# Allegro board MB1167.brd (continued)
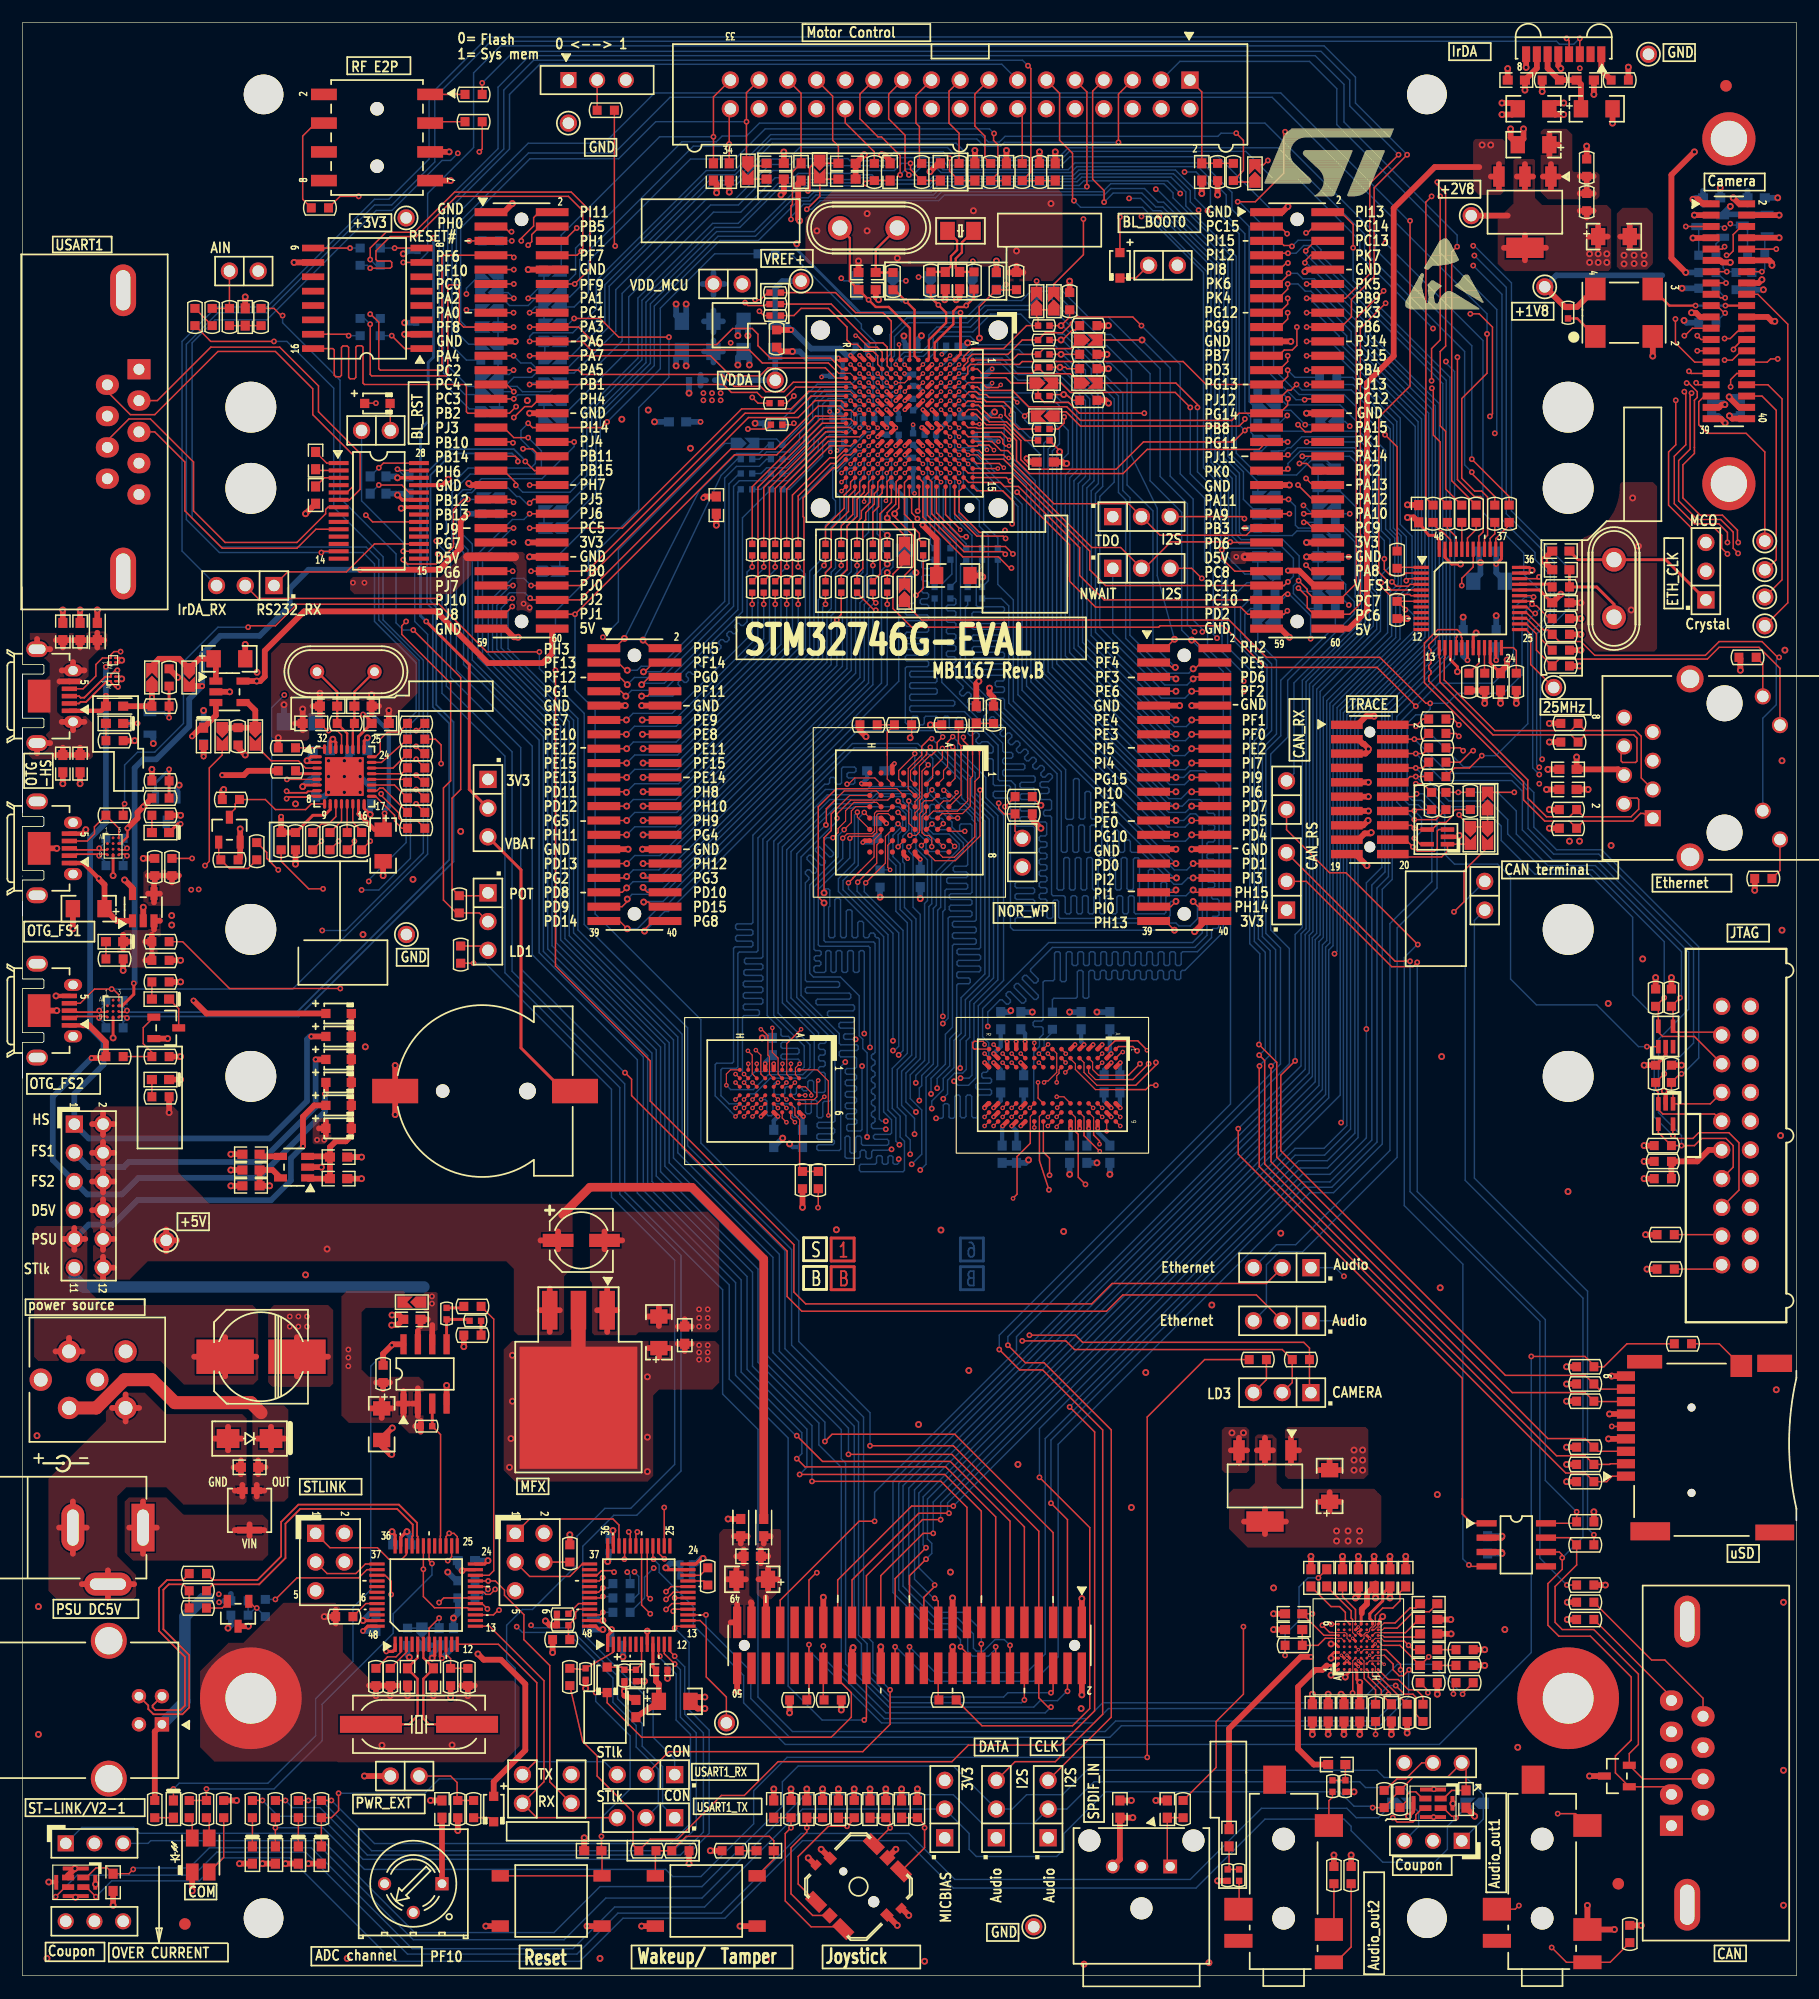
[diagram p0: board, top side]
## Nets (continued)
VBUS_FS1: C48.1 CN6.54 CN13.1 D5.B3 D9.1 JP13.3 R108.1 R261.2 U11.1
VBUS_FS2: CN14.1 D6.B3 D10.1 JP13.5 R138.1 R259.1 SB13.1
VBUS_HS: CN8.1 D3.A1 D8.1 JP13.1 L2.2
VDD_MCU: C26.2 C28.2 C104.2 C106.1 C108.1 C109.1 C112.1 C114.1 C115.1 C116.1 C117.1 C118.1 C121.1 C122.1 C123.1 C124.1 C125.1 C126.1 C127.2 C128.1 C129.1 C130.1 C131.1 C132.1 C133.1 JP2.2 L7.1 U4.E7 U4.E8 U4.E9 U4.E10 U4.F4 U4.F5 U4.F11 U4.G5 U4.G11 U4.H5 U4.H11 U4.J5 U4.J11 U4.K5 U4.K11 U4.L7 U4.L8 U4.L9 U4.L10
VDDA: C111.1 C113.2 L7.2 R33.1 TP9.1 U4.R1
A0: CN11.14 R242.2 U9.E2 U13.G8 U14.A3
A1: CN11.12 R240.2 U9.D2 U13.G9 U14.A4
A2: CN11.8 R239.2 U9.C2 U13.F7 U14.A5
A3: CN11.5 R236.2 U9.A2 U13.F3 U14.B3
A4: CN11.3 R233.2 U9.B2 U13.G1 U14.B4
A5: CN11.1 R232.2 U9.D3 U13.G2 U14.C3
A6: CN10.5 R255.2 U9.C3 U13.G3 U14.C4
A7: CN10.3 R253.2 U9.A3 U13.H1 U14.D4
A8: CN10.4 R256.2 U9.B6 U13.H2 U14.H2
A9: CN10.18 R266.2 U9.A6 U13.J3 U14.H3
A10: CN10.6 R258.2 U9.C6 U13.G7 U14.H4
A11: CN10.7 R257.2 U9.D6 U13.H9 U14.H5
A12: CN10.33 R272.2 U9.B7 U14.G3
A13: CN10.34 R262.2 U9.A7 U14.G4
A14: CN10.28 R273.2 U9.C7 U13.J7 U14.F3
A15: CN10.25 R264.2 U9.D7 U13.H8 U14.F4
A16: CN10.21 R265.1 U9.E7 U14.E4
A17: CN10.23 R274.2 U9.B3 U14.D3
A18: CN10.31 R263.2 U9.C4 U14.H1
A19: CN11.13 R37.2 R38.2 U9.D5 U14.G2
A20: CN11.11 R35.2 R36.2 U9.D4 U14.H6
A21: CN11.4 R23.2 R31.2 U9.C5
A22: CN11.7 R32.2 R34.2 U9.B8
A23: CN11.16 R39.2 R40.2 U9.C8
AIN_1: R186.2 R187.2 U21.10
BOOT0: JP1.2 R4.1 U4.E6
CAMERA_CLK: CN4.20 X3.3
CUR_SEL: R150.1 U21.22
D0: CN10.39 R72.2 U9.E3 U13.R8 U14.B6
D1: CN10.38 R60.2 U9.H3 U13.N7 U14.C5
D2: CN11.31 R267.2 U9.E4 U13.R9 U14.C6
D3: CN11.32 R276.2 U9.H4 U13.N8 U14.D5
D4: CN10.11 R63.2 U9.H5 U13.P9 U14.E5
D5: CN10.14 R53.2 U9.E5 U13.M8 U14.F5
D6: CN10.12 R52.2 U9.H6 U13.M7 U14.F6
D7: CN10.13 R64.2 U9.E6 U13.L8 U14.G6
D8: CN10.16 R54.2 U9.F3 U13.L2 U14.B1
D9: CN10.15 R65.2 U9.G3 U13.M3 U14.C1
D10: CN10.19 R67.2 U9.F4 U13.M2 U14.C2
D11: CN10.20 R55.2 U9.G4 U13.P1 U14.D2
D12: CN10.17 R66.2 U9.F5 U13.N2 U14.E2
D13: CN10.35 R59.2 U9.G6 U13.R1 U14.F2
D14: CN10.37 R70.2 U9.F6 U13.N3 U14.F1
D15: CN10.36 R71.2 U9.G7 U13.R2 U14.G1
D16: CN10.22 R56.1 U13.E8
D17: CN10.26 R57.1 U13.D7
D18: CN10.24 R68.1 U13.D8
D19: CN10.27 R69.1 U13.B9
D20: CN10.32 R58.1 U13.C8
D21: CN11.39 R271.1 U13.A9
D22: CN11.38 R279.1 U13.C7
D23: CN11.36 R278.1 U13.A8
D24: CN11.37 R270.1 U13.A2
D25: CN11.35 R269.1 U13.C3
D26: CN11.33 R268.1 U13.A1
D27: CN11.34 R277.1 U13.C2
D28: CN11.22 R250.1 U13.B1
D29: CN11.18 R245.1 U13.D2
D30: CN11.20 R246.1 U13.D3
D31: CN11.21 R248.1 U13.E2
E5V: C58.1 D11.1 JP13.9 L3.3
I2C1_SCL_C: CN4.13 R183.2 R230.1 T4.2
I2C1_SDA_C: CN4.14 R234.1 R298.2 T5.2
LCD_B0: CN6.27 CN20.21 U4.B10
LCD_B1: CN6.26 CN20.23 U4.B9
LCD_B2: CN6.20 CN20.25 U4.C9
LCD_B3: CN6.22 CN20.27 U4.D10
LCD_B4: CN6.16 CN20.29 U4.D8
LCD_B5: CN6.13 CN20.31 U4.D7
LCD_B6: CN6.12 CN20.33 U4.C6
LCD_B7: CN6.11 CN20.35 U4.C5
LCD_G0: CN5.53 CN20.4 U4.J12
LCD_G1: CN5.57 CN20.6 U4.H12
LCD_G2: CN5.45 CN20.8 U4.J13
LCD_G3: CN5.55 CN20.10 U4.H13
LCD_G4: CN6.35 CN20.12 U4.G12
LCD_G5: CN6.37 CN20.14 U4.G13
LCD_G6: CN6.34 CN20.16 U4.F12
LCD_G7: CN6.38 CN20.18 U4.F13
LCD_R0: CN6.5 CN20.3 U4.G4
LCD_R1: CN5.54 CN20.5 U4.R6
LCD_R2: CN5.58 CN20.7 U4.R7
LCD_R3: CN5.56 CN20.9 U4.P7
LCD_R4: CN5.31 CN20.11 U4.N8
LCD_R5: CN5.34 CN20.13 U4.M9
LCD_R6: CN5.42 CN20.15 U4.M14
LCD_R7: CN5.44 CN20.17 U4.K12
LED_STLINK: R201.1 R202.1 U21.30
LOOP: TP15.1 U22.14
MCO: U21.29
MFX_SWCLK: CN19.3 U22.37
MFX_SWDIO: CN19.1 U22.34
MIC_CLK: CN24.3 CN27.3 JP19.2 SB20.1
MIC_DATA: CN24.1 CN27.1 JP18.2 SB21.2
MIC_VDD: C89.1 C101.1 CN24.4 CN27.4 JP17.2 R198.2 R199.2 U24.1 U25.1
NETB2_2: B2.2 B2.3 C100.2 R216.1 R217.1
NETB3_1: B3.1 C93.2 R212.2 U22.20
NETB3_2: B3.2 C92.2 R211.2 U22.18
NETB3_3: B3.3 C91.2 R210.2 U22.19
NETB3_4: B3.4 C95.2 R214.2 U22.39
NETB3_6: B3.6 C94.2 R213.2 U22.40
NETBT1_1: BT1.1 JP9.3
NETC2_1: C2.1 C4.1 R1.2 U1.6
NETC5_1: C5.1 R6.1 R15.2 U2.1
NETC6_2: C6.2 CN1.31 SB2.2 SB34.1
NETC7_2: C7.2 CN1.27 SB1.2 SB48.1
NETC8_2: C8.2 CN1.33 SB23.1
NETC9_2: C9.2 CN1.34 SB30.1
NETC10_2: C10.2 CN1.29 SB50.1
NETC11_1: C11.1 R7.2 SB53.2
NETC12_2: C12.2 R8.1 SB44.2
NETC13_2: C13.2 R9.1 SB38.2
NETC14_2: C14.2 R10.1 SB31.2
NETC15_1: C15.1 R11.2 R12.1 SB40.2
NETC16_2: C16.2 CN1.1 R13.1 R14.1
NETC17_1: C17.1 SB2.1
NETC18_2: C18.2 SB1.1 SB56.1
NETC20_1: C20.1 R19.2 X1.2
NETC21_1: C21.1 R17.1 X2.1
NETC22_1: C22.1 R18.1 X2.2
NETC24_2: C24.2 R29.1 R30.1
NETC25_1: C25.1 U5.1
NETC25_2: C25.2 U5.2
NETC27_2: C27.2 U5.3
NETC30_1: C30.1 JP6.1 X4.1
NETC31_2: C31.2 R73.2 X4.2
NETC32_1: C32.1 U4.E11
NETC34_1: C34.1 C35.1 C43.1 C44.1 CN8.5 CN8.6 CN8.7 CN8.8 CN8.9 CN8.10 L1.2
NETC36_1: C36.1 SB12.1 SB13.2 U7.1
NETC38_1: C38.1 R87.2 U8.28 X5.1
NETC39_1: C39.1 R87.1 U8.27 X5.2
NETC40_1: C40.1 R85.2 U9.B5
NETC41_1: C41.1 C142.1 U8.29
NETC42_1: C42.1 C47.1 U8.15 U8.26
NETC49_2: C49.2 U16.4
NETC50_2: C50.2 C52.2 D7.2 D8.2 D9.2 D10.2 D11.2 D12.2 U16.1 U16.3
NETC60_1: C60.1 D13.3 L3.1 Z1.2
NETC60_2: C60.2 CN17.2 CN17.3 D13.2 L3.2 Z1.1
NETC62_1: C62.1 C70.1 CN20.45 L5.2
NETC62_2: C62.2 C70.2 CN20.47 CN20.49 L4.2
NETC63_2: C63.2 U23.C9
NETC64_1: C64.1 U23.D7
NETC64_2: C64.2 CN26.2 R177.1 R223.2
NETC65_1: C65.1 U23.D9
NETC69_1: C69.1 U23.E6
NETC71_1: C71.1 U23.H8
NETC71_2: C71.2 U23.G8
NETC72_2: C72.2 JP17.1 U23.A7
NETC73_1: C73.1 U23.G7
NETC74_2: C74.2 R177.2 U23.B6
NETC75_1: C75.1 U23.H7
NETC76_1: C76.1 CN26.4 U23.G6
NETC76_2: C76.2 R178.1
NETC77_1: C77.1 CN26.6 U23.H6
NETC77_2: C77.2 R179.1
NETC78_2: C78.2 C82.1 L6.2 U22.9
NETC79_2: C79.2 D16.1 R182.1 U22.7
NETC87_1: C87.1 U23.F1
NETC88_1: C88.1 R196.1 R197.1
NETC88_2: C88.2 U23.A2
NETC97_1: C97.1 CN28.1 R215.2
NETC98_1: C98.1 R219.2 R220.2
NETC98_2: C98.2 U23.B3
NETC100_1: C100.1 R218.2
NETC134_2: C134.2 U5.27
NETC136_1: C136.1 U5.24
NETC136_2: C136.2 U5.28
NETC137_2: C137.2 C139.1 C140.1 C141.2 U6.18 U6.23 U6.37
NETC138_1: C138.1 U4.L11
NETCN1_3: CN1.3 SB62.2
NETCN1_5: CN1.5 SB35.1
NETCN1_9: CN1.9 SB59.1
NETCN1_11: CN1.11 SB58.2
NETCN1_13: CN1.13 SB39.1
NETCN1_14: CN1.14 R11.1
NETCN1_15: CN1.15 R10.2
NETCN1_17: CN1.17 R9.2
NETCN1_19: CN1.19 R8.2
NETCN1_21: CN1.21 SB46.2
NETCN1_23: CN1.23 SB42.2
NETCN1_26: CN1.26 R7.1
NETCN2_1: CN2.1 R3.2
NETCN2_3: CN2.3 R5.2
NETCN2_4: CN2.4 R16.1
NETCN3_1: CN3.1 R28.1 R29.2
NETCN4_15: CN4.15 R229.2 U22.33
NETCN4_17: CN4.17 R231.1 U22.32
NETCN4_18: CN4.18 TP7.1
NETCN4_19: CN4.19 R235.1 U22.31
NETCN4_32: CN4.32 JP23.1 R301.1
NETCN4_33: CN4.33 SB5.1
NETCN4_34: CN4.34 TP8.1
NETCN4_35: CN4.35 TP11.1
NETCN4_36: CN4.36 TP10.1
NETCN5_3: CN5.3 SB27.2
NETCN5_5: CN5.5 R224.2
NETCN5_6: CN5.6 SB28.2
NETCN6_3: CN6.3 SB26.2
NETCN6_4: CN6.4 SB25.2
NETCN7_2: CN7.2 U5.6
NETCN7_3: CN7.3 U5.10
NETCN7_6: CN7.6 U5.5
NETCN7_8: CN7.8 U5.7
NETCN8_2: CN8.2 D4.A1 U8.8
NETCN8_3: CN8.3 D4.A2 U8.7
NETCN8_4: CN8.4 D3.A2 U8.5
NETCN9_1: CN9.1 R120.2 U6.17
NETCN9_2: CN9.2 R114.2 U6.16
NETCN9_3: CN9.3 R89.2 U6.14
NETCN9_6: CN9.6 R97.2 U6.13
NETCN9_9: CN9.9 R131.1
NETCN9_10: CN9.10 R76.1 U6.28
NETCN9_11: CN9.11 R79.1 U6.26
NETCN9_12: CN9.12 R78.1
NETCN11_6: CN11.6 JP5.1 R92.1 U9.A4
NETCN12_2: CN12.2 CN15.7 R86.1 R141.1 U15.1
NETCN12_4: CN12.4 CN15.9 R93.1 R140.2 U15.3
NETCN12_6: CN12.6 CN15.13 R99.1 R111.2 R143.1 U15.4
NETCN12_8: CN12.8 CN15.5 R101.1 R136.1 U12.5
NETCN12_10: CN12.10 CN15.15 R104.1 U15.5
NETCN12_12: CN12.12 SB7.1 U12.1
NETCN12_14: CN12.14 R111.1 SB8.1 U10.5
NETCN12_16: CN12.16 R113.1 SB6.1 U10.4
NETCN12_18: CN12.18 SB3.1 U10.3
NETCN12_20: CN12.20 SB17.1 U10.1
NETCN13_2: CN13.2 D5.D1 R284.1
NETCN13_3: CN13.3 D5.C1 R283.1
NETCN13_4: CN13.4 D5.A3 R117.1
NETCN14_2: CN14.2 D6.D1 R288.1
NETCN14_3: CN14.3 D6.C1 R286.1
NETCN14_4: CN14.4 D6.A3 SB51.1
NETCN15_3: CN15.3 R112.1 R113.2 R137.1 U12.4
NETCN15_11: CN15.11 R144.1 R145.2
NETCN15_17: CN15.17 R148.2
NETCN15_19: CN15.19 R149.2
NETCN16_1: CN16.1 R162.2 R281.1
NETCN16_2: CN16.2 R161.2 R275.1
NETCN16_3: CN16.3 R160.2 SB63.1
NETCN16_7: CN16.7 R158.2 SB61.2
NETCN16_8: CN16.8 R157.2 R260.1
NETCN16_10: CN16.10 R154.2
NETCN17_1: CN17.1 D13.1
NETCN19_4: CN19.4 R165.2
NETCN20_22: CN20.22 R192.1
NETCN20_39: CN20.39 U22.27
NETCN20_43: CN20.43 SB60.1
NETCN21_2: CN21.2 R166.1
NETCN21_3: CN21.3 R169.1 R171.1
NETCN22_2: CN22.2 D14.1 JP12.2 U20.6
NETCN22_5: CN22.5 R174.2
NETCN22_7: CN22.7 D14.2 R164.1 U20.7
NETCN22_9: CN22.9 R170.2
NETCN24_5: CN24.5 R198.1
NETCN25_2: CN25.2 R222.1
NETCN25_3: CN25.3 R221.1
NETCN25_4: CN25.4 R220.1
NETCN25_6: CN25.6 R196.2
NETD1_1: D1.1 U5.20
NETD1_2: D1.2 JP1.1
NETD2_2: D2.2 JP3.1
NETD5_C3: D5.C3 R283.2 SB52.1
NETD15_2: D15.2 R209.1
NETJP3_2: JP3.2 U5.16
NETJP5_3: JP5.3 JP18.3
NETJP6_2: JP6.2 U6.34
NETJP6_3: JP6.3 SB57.1
NETJP7_1: JP7.1 U5.17
NETJP7_2: JP7.2 JP14.1
NETJP7_3: JP7.3 U1.4
NETJP8_2: JP8.2 U20.4
NETJP9_2: JP9.2 U4.C1
NETJP10_2: JP10.2 R116.1 U9.B4
NETJP11_2: JP11.2 R163.1 U20.8
NETJP11_3: JP11.3 R168.1
NETJP12_1: JP12.1 R164.2
NETJP15_2: JP15.2 R208.1 R209.2 U21.39
NETJP16_2: JP16.2 R289.2 U21.21
NETJP18_1: JP18.1 U23.A9
NETJP19_1: JP19.1 U23.C6
NETJP19_3: JP19.3 R280.2
NETJP20_1: JP20.1 U1.3 U5.13
NETJP20_2: JP20.2 SB54.1
NETJP21_1: JP21.1 U23.G1
NETJP21_2: JP21.2 SB24.1
NETJP21_3: JP21.3 R75.1 SB11.2 U6.30
NETJP22_1: JP22.1 U23.F2
NETJP22_2: JP22.2 SB22.2
NETJP22_3: JP22.3 SB10.2 U6.31
NETJP23_3: JP23.3 R300.1
NETJP24_1: JP24.1 R30.2 R302.1
NETJP24_3: JP24.3 R299.1
NETL2_1: L2.1 R84.2 R103.2 SB12.2
NETLD1_2: LD1.2 R207.2 R299.2
NETLD2_2: LD2.2 R206.2
NETLD3_2: LD3.2 R205.2 R300.2
NETLD4_2: LD4.2 R204.2
NETLD5_1: LD5.1 R96.1
NETLD5_2: LD5.2 T6.3
NETLD6_1: LD6.1 R282.1
NETLD6_2: LD6.2 R121.2 R122.2 U7.3 U8.10
NETLD7_1: LD7.1 R118.1
NETLD7_2: LD7.2 T7.3
NETLD8_1: LD8.1 R133.1
NETLD8_2: LD8.2 R132.2 R134.2 U11.3
NETLD9_1: LD9.1 R135.1
NETLD9_2: LD9.2 T2.3
NETLD10_1: LD10.1 R142.1
NETLD11_1: LD11.1 R200.2
NETLD11_2: LD11.2 R156.2 U17.8
NETLD12_2: LD12.2 R201.2
NETLD12_3: LD12.3 R202.2
NETLD12_4: LD12.4 R203.1
NETR2_2: R2.2 U1.1
NETR4_2: R4.2 SW1.2
NETR20_1: R20.1 R21.1 U4.E5
NETR22_1: R22.1 U4.K1
NETR24_1: R24.1 U4.K2
NETR25_1: R25.1 X3.1
NETR26_1: R26.1 U4.L2
NETR27_1: R27.1 R28.2
NETR27_2: R27.2 RV1.2
NETR31_1: R31.1 SB3.2 SB4.2 U4.B1
NETR34_1: R34.1 SB16.2 SB17.2 SB18.2 U4.B2
NETR35_1: R35.1 SB6.2 U4.A1
NETR37_1: R37.1 SB8.2 U4.A2
NETR39_1: R39.1 R247.2 SB7.2 U4.A3
NETR41_1: R41.1 U4.L3
NETR42_1: R42.1 U4.M5
NETR43_1: R43.1 U4.B6
NETR44_1: R44.1 U4.B7
NETR45_1: R45.1 U6.46
NETR46_1: R46.1 U6.45
NETR46_2: R46.2 SB45.2
NETR47_1: R47.1 U6.44
NETR47_2: R47.2 SB55.2
NETR48_1: R48.1 U6.43
NETR48_2: R48.2 SB43.2
NETR49_1: R49.1 U6.39
NETR49_2: R49.2 SB37.1
NETR50_1: R50.1 U6.38
NETR50_2: R50.2 SB29.1
NETR51_1: R51.1 U4.P8
NETR52_1: R52.1 U4.P9
NETR53_1: R53.1 U4.N9
NETR54_1: R54.1 U4.P10
NETR55_1: R55.1 U4.P11
NETR56_2: R56.2 U4.P14
NETR57_2: R57.2 U4.N14
NETR58_2: R58.2 U4.M15
NETR59_1: R59.1 U4.L15
NETR60_1: R60.1 U4.K13
NETR61_1: R61.1 U4.H14
NETR62_1: R62.1 U6.1
NETR62_2: R62.2 SB41.2
NETR63_1: R63.1 U4.R8
NETR64_1: R64.1 U4.R9
NETR65_1: R65.1 U4.R10
NETR66_1: R66.1 U4.R11
NETR67_1: R67.1 U4.R12
NETR68_2: R68.2 U4.P15
NETR69_2: R69.2 U4.N15
NETR70_1: R70.1 U4.L14
NETR71_1: R71.1 U4.K15
NETR72_1: R72.1 U4.L12
NETR73_1: R73.1 U6.33
NETR74_2: R74.2 U6.7 U22.26
NETR77_1: R77.1 U6.27
NETR80_2: R80.2 R84.1 T6.1
NETR81_1: R81.1 U6.20
NETR82_1: R82.1 U6.21
NETR83_2: R83.2 U6.24
NETR88_1: R88.1 U8.24
NETR90_1: R90.1 R91.1 U9.F2
NETR94_2: R94.2 SB14.2 SB15.2 U7.4
NETR95_1: R95.1 U8.23
NETR98_2: R98.2 U8.32
NETR100_1: R100.1 U8.22
NETR102_1: R102.1 U8.21
NETR103_1: R103.1 U8.4
NETR105_2: R105.2 R108.2 T7.1
NETR106_1: R106.1 U8.20
NETR107_1: R107.1 U9.A5 U14.G5
NETR109_1: R109.1 U8.19
NETR110_2: R110.2 T1.3 U8.9
NETR115_1: R115.1 U8.18
NETR119_1: R119.1 U8.17
NETR121_1: R121.1 U22.29
NETR123_1: R123.1 U8.11
NETR124_1: R124.1 U8.12
NETR125_1: R125.1 U8.13
NETR126_1: R126.1 U8.14
NETR127_1: R127.1 R128.2 T1.1
NETR129_2: R129.2 R130.1 U11.4
NETR130_2: R130.2 U22.17
NETR132_1: R132.1 U22.16
NETR138_2: R138.2 R139.2 T2.1
NETR146_1: R146.1 R147.1 U14.B5
NETR150_2: R150.2 R151.1
NETR151_2: R151.2 R152.2 U17.5
NETR152_1: R152.1 R153.2
NETR154_1: R154.1 R155.1 U22.28
NETR167_1: R167.1 U22.21
NETR167_2: R167.2 U22.22
NETR171_2: R171.2 T3.2
NETR172_1: R172.1 U22.44
NETR173_2: R173.2 U21.44
NETR175_1: R175.1 R176.1 U22.45
NETR180_1: R180.1 R181.2 U22.2
NETR184_2: R184.2 U21.2
NETR185_2: R185.2 U21.3
NETR188_1: R188.1 U23.D4 U23.D5
NETR189_2: R189.2 U23.F3
NETR193_1: R193.1 U23.E3
NETR194_2: R194.2 U23.G2
NETR195_2: R195.2 U23.H1
NETR199_1: R199.1 U24.2
NETR204_1: R204.1 U22.13
NETR205_1: R205.1 U22.12
NETR206_1: R206.1 U22.11
NETR207_1: R207.1 U22.10
NETR225_2: R225.2 U4.H3
NETR227_1: R227.1 U3.8
NETR228_2: R228.2 U3.9
NETR232_1: R232.1 U4.K3
NETR233_1: R233.1 U4.J2
NETR236_1: R236.1 U4.H2
NETR237_1: R237.1 U3.1
NETR238_2: R238.2 U3.15
NETR239_1: R239.1 U4.G2
NETR240_1: R240.1 U4.E2
NETR241_2: R241.2 U6.5
NETR242_1: R242.1 U4.D2
NETR243_2: R243.2 U6.3
NETR244_2: R244.2 U6.4
NETR245_2: R245.2 U4.D4
NETR246_2: R246.2 U4.E4
NETR247_1: R247.1 U6.6
NETR248_2: R248.2 SB9.1 U4.D5
NETR249_2: R249.2 U4.L5
NETR250_2: R250.2 U4.D6
NETR251_2: R251.2 SB47.1 U4.J4
NETR252_2: R252.2 U6.2
NETR253_1: R253.1 U4.N6
NETR254_2: R254.2 U4.J3
NETR255_1: R255.1 U4.M6
NETR256_1: R256.1 U4.P6
NETR257_1: R257.1 U4.M7
NETR258_1: R258.1 U4.N7
NETR262_1: R262.1 U4.M12
NETR263_1: R263.1 U4.M11
NETR264_1: R264.1 U4.N11
NETR265_2: R265.2 U4.N10
NETR266_1: R266.1 U4.M8
NETR267_1: R267.1 U4.B12
NETR268_2: R268.2 U4.C14
NETR269_2: R269.2 U4.D14
NETR270_2: R270.2 U4.E14
NETR271_2: R271.2 U4.E12
NETR272_1: R272.1 U4.M13
NETR273_1: R273.1 U4.N12
NETR274_1: R274.1 U4.M10
NETR276_1: R276.1 U4.C12
NETR277_2: R277.2 U4.C13
NETR278_2: R278.2 U4.D13
NETR279_2: R279.2 U4.E13
NETR285_1: R285.1 U9.F7
NETR287_1: R287.1 U13.J2
NETR290_2: R290.2 U22.42
NETR291_2: R291.2 U22.43
NETR292_2: R292.2 U21.20
NETR293_1: R293.1 R294.1 R296.2 T3.1
NETR295_2: R295.2 U22.46
NETSB9_2: SB9.2 U6.41
NETSB14_1: SB14.1 U22.30
NETSB15_1: SB15.1 U8.3
NETSB18_1: SB18.1 U23.D3
NETSB20_2: SB20.2 U24.3 U25.3
NETSB21_1: SB21.1 U24.4 U25.4
NETSB32_1: SB32.1 U23.E4
NETSB36_1: SB36.1 U6.40
NETSB47_2: SB47.2 U6.42
NETSB49_1: SB49.1 U20.1
NETTP12_1: TP12.1 U6.25
NETU22_15: U22.15 U23.G3
OSC_IN: C80.1 U21.5 X6.2
OSC_OUT: C81.1 U21.6 X6.1
PA0: CN5.15 SB32.2 SB34.2 SB36.2 U4.N3
PA1: CN5.14 SB23.2 SB29.2 U4.N2
PA2: CN5.13 SB24.2 SB30.2 U4.P2
PA3: CN5.18 R88.2 U4.R2
PA4: CN4.31 CN5.21 U4.N4
PA5: CN5.24 R126.2 U4.P4
PA6: CN5.20 R14.2 SB5.2 U4.P3
PA7: CN5.22 SB35.2 SB37.2 U4.R3
PA8: CN6.52 SB56.2 SB57.2 SB60.2 U4.F15
PA9: CN6.43 R261.1 SB54.2 U4.E15
PA10: CN6.44 JP14.2 R117.2 U4.D15
PA11: CN6.41 D5.D3 JP8.1 R284.2 SB50.2 U4.C15
PA12: CN6.42 SB48.2 SB49.2 SB52.2 U4.B15
PA13: CN6.40 R86.2 U4.A15 U21.25 U21.27
PA14: CN6.36 R93.2 U4.A14 U21.15 U21.26
PA15: CN6.32 R101.2 U4.A13 U21.17
PAR_D0: CN4.23 CN6.58 JP4.3 SB62.1 U4.H15
PAR_D1: CN1.7 CN4.24 CN6.56 R280.1 U4.G15
PAR_D2: CN4.25 CN6.51 SB58.1 SB61.1 U4.G14
PAR_D3: CN4.26 CN6.46 R260.2 U4.F14
PAR_D4: CN4.27 CN6.53 R275.2 U4.B13
PAR_D5: CN4.28 CN6.23 U4.C11
PAR_D6: CN4.29 SB4.1
PAR_D7: CN4.30 SB16.1
PAR_D8: CN4.9 CN6.55 R16.2 R281.2 U4.B14
PAR_D9: CN4.10 CN6.28 CN16.5 U4.A12
PAR_D10: CN4.5 CN6.47 JP5.2 U4.B11
PAR_D11: CN4.6 CN6.57 SB63.2 U4.D12
PB0: CN5.52 R95.2 SB59.2 U4.R5
PB1: CN5.26 R100.2 SB39.2 U4.R4
PB2: CN5.29 R42.2 U3.16
PB3: CN6.45 JP4.2 U4.A10
PB4: CN6.24 R112.2 U4.A9 U21.19
PB5: CN5.4 R119.2 U4.A8
PB6: CN6.18 R43.2 R226.2 U3.7
PB7: CN6.21 JP23.2 R301.2 U4.B5
PB8: CN6.31 CN20.40 R5.1 R183.1 R190.2 R195.1 R290.1 T4.3 U4.A7
PB9: CN6.14 CN20.38 R3.1 R189.1 R191.2 R291.1 R298.1 T5.3 U4.B4
PB10: CN5.33 R102.2 U4.P12
PB11: CN5.36 R106.2 U4.R13
PB12: CN5.41 R109.2 SB51.2 U4.L13
PB13: CN5.43 R115.2 R259.2 U4.K14
PB14: CN5.35 D6.D3 R288.2 U4.R14
PB15: CN5.38 D6.C3 R286.2 U4.R15
PC0: CN5.11 R125.2 U4.M2
PC1: CN5.16 SB22.1 SB31.1 U4.M3
PC2: CN5.23 R241.1 SB38.1 U4.M4
PC3: CN5.27 SB41.1 SB44.1 U4.L4
PC4: CN5.25 SB40.1 SB43.1 U4.N5
PC5: CN5.46 SB53.1 SB55.1 U4.P5
PC13: CN6.6 R180.2 R216.2 U4.D1
PC14: R18.2 SB25.1 U4.E1
PC15: R17.2 SB26.1 U4.F1
PD4: CN11.28 U4.D11 U9.G2 U14.A2
PD5: CN11.26 R107.2 U4.C10
PD7: CN11.24 R91.2 U4.A11
PE0: CN11.25 U4.A6 U13.K9 U14.A1
PE1: CN11.23 U4.A5 U13.K1 U14.B2
PF6: CN5.7 R24.2 R237.2
PF7: CN5.8 R22.2 R228.1
PF8: CN5.17 R41.2 R238.1
PF9: CN5.12 R26.2 R227.2
PF10: CN5.9 JP24.2 R302.2 U4.L1
PF11: CN10.8 R51.2 U13.J9
PG6: CN5.51 SB11.1 U4.J15
PG7: CN5.47 SB10.1 U4.J14
PG8: CN10.40 R61.2 U13.J1
PG9: CN6.17 R193.2 U4.D9
PG10: CN11.27 R147.2 U4.C8
PG11: CN6.33 R252.1 SB46.1 U4.B8
PG12: CN6.15 R215.1 U4.C7
PG13: CN6.25 R243.1 U4.B3
PG14: CN6.29 R244.1 U4.A4
PG15: CN11.19 R44.2 U13.K7
PH0: R19.1 SB27.1 U4.G1
PH1: C23.1 SB28.1 U4.H1 X1.1
PH2: CN11.2 R287.2 U4.K4
PH3: CN10.1 R251.1 U13.J8
PH4: CN5.28 R123.2 U4.H4
PH5: CN10.2 R254.1 U13.K8
PH6: CN5.37 SB42.1 SB45.1 U4.P13
PH7: CN5.40 R45.2 U4.N13
PI4: CN11.17 U4.C3 U13.F8
PI5: CN11.15 U4.D3 U13.F2
PI8: CN6.9 R295.1 U4.C2
PI11: CN5.2 R124.2 U4.F3
PI12: CN6.7 CN20.26 U4.E3
PI13: CN6.2 CN20.28 U4.G3
PI14: CN5.32 CN20.32 R225.1
PK7: CN6.8 R192.2 U4.C4
PWR_ENN: R159.2 U17.3 U21.28
RESET#: B1.2 B1.3 C99.2 CN20.36 D2.1 D16.2 R104.2 R127.2 R224.1 U4.J1 U6.29 U21.18
STL_USB_DM: R166.2 U21.32
STL_USB_DP: R169.2 U21.33
STLINK_RX: CN23.1 JP20.3 U21.13
STLINK_TX: CN23.2 JP14.3 U21.12
STM_JTCK_SWCLK: CN18.3 U21.37
STM_JTMS_SWDIO: CN18.1 U21.34
STM_RST: C175.2 R297.1 SB64.2 U21.7
SWIM_PU_CTRL: U21.4
T_JTDO: JP4.1 R99.2 U21.16 U21.31
U5V_ST_LINK: C55.2 JP13.11 SB19.2 U17.6 U17.7
USB_RENUMN: R294.2 U21.38
VREF+: C105.1 C110.2 R33.2 TP6.1 U4.P1
VUSB_ST_LINK: C59.1 CN21.1 D12.1 R156.1 R159.1 R200.1 R293.2 SB19.1 U17.1 U17.2

Pads without a net: CN2 2 6 8; CN7 1 4 7 9; CN9 7; CN12 7; CN16 11 12 13 14; CN18 5; CN19 5; CN20 24 41 42 44 46 48; CN22 1 4 8; CN24 6; CN25 5 7; CN26 5 7; CN27 6; D5 A2 B1 B2 C2; D6 A2 B1 B2 C2; U1 2; U3 3 4 5 6 11 12 13 14; U5 4 8 9 11 12 14 15 18 19 21; U6 8 9 10 11 12; U9 A1 A8 B1 C1 D1 E1 F8 G1 G8 H1 H8; U12 3; U13 E3 E7 H3 H7 K2 K3; U14 E3; U20 5; U21 11 14 40 41 42 43 45 46; U22 3 4 5 6 25 38 41; U23 A6 A8 B1 B4 B5 B7 B8 B9 C3 C4 C5 C7 C8 E1 E5 F4 F5 F6 F8 F9 G4 H2 H3 H4 H5

## Via types
v1: diameter 0.508, hole 0.254, TOP to BOTTOM, 660 vias
v2: diameter 0.305, hole 0.152, TOP to BOTTOM, 13 vias
v3: diameter 0.61, hole 0.305, TOP to BOTTOM, 598 vias
v4: diameter 0.483, hole 0.254, TOP to BOTTOM, 41 vias
v5: diameter 0.406, hole 0.203, TOP to BOTTOM, 295 vias

## Routing (per net, layer and track width the routed paths; a pad name or vN(x,y) marks a point on that pad's centre or on a via; arc(x,y) is an arc through that point)
+1V8: length 49.5
  TOP w0.229: 117.98,26.81 117.98,26.96 U23.D1 ; U23.D8 v2(118.11,30.83)
  TOP w0.254: v3(118.24,25.94) 117.98,26.19 117.98,26.81 ; U23.G9 119.36,31.34 119.13,31.57 119.13,32 120.27,33.15 120.27,33.78 C68.1
  TOP w0.508: C68.1 v3(120.9,33.4) ; U19.2 110.57,46.46 ; U19.2 109.86,45.35 ; U19.2 109.86,47.56 ; U19.2 109.14,46.46 ; U19.4 109.86,41.26 ; U19.4 109.86,39.05 ; U19.4 111.71,40.16 ; U19.4 108,40.16 ; C61.1 115.57,42.75 ; C61.1 116.54,41.91 ; C61.1 114.6,41.91 ; C61.1 115.57,41.07 ; X3.4 139.04,149.17 137.45,147.57 R25.2 136.37,147.57 TP1.1 ; v3(147.7,157.1) 148.16,157.1 148.54,156.72 149.28,156.72 CN4.1 ; CN4.2 151.79,156.69 v3(151.26,157.23) ; C66.1 118.11,33.66 v3(117.86,33.4) ; C86.1 v3(118.24,25.94)
  BOTTOM w0.508: 151.88,157.23 C102.1 ; C102.1 152.53,156.62 ; C102.1 152.53,157.84 ; TP1.1 135.61,150.37 144.98,150.37 ; R235.2 147.12,146.18 v3(146.91,146.38) ; 148.59,156.62 C103.2 ; C103.2 147.94,157.23 ; C103.2 148.59,157.84 ; v3(146.74,149.22) R231.2
  vias: v3(116.19,39.33) v3(116.19,38.44) v3(117.2,39.33) v3(117.2,38.44) v3(118.22,39.33) v3(118.22,38.44) v3(136.78,100.33) v3(137.67,100.33)
+2V8: length 31.2
  TOP w0.508: U2.4 132.84,153.91 ; U2.4 130.99,152.81 ; U2.4 134.7,152.81 ; U2.4 132.84,151.7 ; C19.1 140.16,153.8 ; C19.1 138.48,153.8 ; C19.1 139.32,154.76 ; C19.1 139.32,152.83 ; v3(150.93,137.95) 150.93,137.95 151.18,137.69 CN4.40 ; U2.2 133.55,159.11 ; U2.2 132.84,160.21 ; U2.2 132.84,158 ; U2.2 132.13,159.11 ; TP5.1 131.32,155.65 ; CN4.39 150.17,137.69 v3(150.55,137.31) ; 138.3,155.49 R15.1 ; R15.1 138.91,156.08 ; R15.1 137.69,156.08
  BOTTOM w0.508: C120.1 149.94,137.92 v3(150.55,137.31) ; T5.1 150.45,155.76 T4.1 150.33,155.79 v3(151,156.46) ; C119.1 150.95,137.92 v3(150.93,137.95) ; R230.2 R234.2 v3(153.92,149.1)
  vias: v3(138.56,152.27) v3(138.56,151.51) v3(139.32,152.27) v3(139.32,151.51) v3(140.08,152.27) v3(140.08,151.51)
+3V3: length 240.6
  TOP w0.229: U23.B2 116.86,27.58 v2(117.11,27.83) 117.36,27.58 U23.C2 ; U23.D2 v2(118.11,27.33)
  TOP w0.254: U8.6 24.9,105.29 v3(24.77,105.16) ; U6.22 129.77,116.11 C37.2 ; v3(30.48,109.47) 30.2,109.19 U8.25 ; U6.32 134.12,122.54 C33.2 ; C29.1 124.33,127.38 124.84,127.38 125.27,126.96 U6.48 ; U23.E9 118.36,32 118.41,32.05 ; U8.30 27.7,109.08 v3(27.43,109.35) 27.2,109.11 U8.31 ; v3(30.73,102.69) 30.2,103.23 U8.16
  TOP w0.279: U22.1 51.73,30.1 52.07,30.44 v3(52.07,30.61) ; v3(51.73,36.62) U22.36 ; v3(60.17,36.9) 60.01,36.9 59.52,36.41 U22.24 ; v3(51.31,30.61) 50.97,30.61 50.67,30.9 U22.48
  TOP w0.305: U5.22 33.85,129.87 33.76,129.77 v3(33.48,129.77) ; U5.26 v3(33.15,132.47)
  TOP w0.381: v5(85.06,76.74) 85.06,76.8 85.4,77.14 U13.R7 ; U9.F1 76.91,107.01 v5(77.09,107.19) ; U13.B7 v5(96.26,76.74) ; v5(95.07,74.93) 95.06,74.94 U13.C9 ; v5(79.38,98.73) 78.91,99.19 U9.D8 ; v5(65.66,80.64) 65.66,80.11 U14.E1 ; U13.B2 v5(96.26,81.54) ; v5(94.27,74.93) 94.26,74.94 U13.D9 ; v5(66.79,75.98) 66.42,76.36 U14.D6 ; v5(97.06,76.74) U13.A7 ; U14.A6 v5(69.04,75.98) ; v5(88.64,82.6) 88.66,82.58 U13.L1 ; U13.E1 v5(93.86,82.34) ; U13.P7 v5(85.86,76.74) ; U13.N9 v5(86.66,75.14) ; U13.P2 v5(85.86,81.54) ; U13.M9 v5(87.46,75.14) ; U9.G5 v4(76.38,101.9) ; v5(92.67,74.93) 92.66,74.94 U13.F9 ; U13.L7 v5(88.26,76.74)
  TOP w0.508: R122.1 v3(24.13,98.3) ; C33.2 v3(136.02,122.17) ; R218.1 v3(60.81,11.05) ; R90.2 74.04,110.11 v3(74.57,109.58) ; 55.3,55.5 C56.1 ; C56.1 57.23,55.5 ; C56.1 56.26,54.66 ; v3(129.29,112.52) R82.2 R81.2 ; R168.2 v3(139.95,34.54) ; 106.84,46.46 U19.3 ; U19.3 107.56,45.35 ; U19.3 107.56,47.56 ; U19.3 108.27,46.46 ; R74.1 v3(122.43,120.02) ; C28.1 v3(61.34,128.27) ; R160.1 v3(136.53,46.74) ; CN6.48 v3(113.53,126.75) ; R76.2 v3(137.79,118.62) ; R144.2 v3(143.38,72.01) ; v3(131.27,116.36) 131.27,115.9 130.68,115.32 C37.2 ; R96.2 v3(9.91,109.22) ; v3(116.59,24.89) 116.84,24.64 C85.1 ; v3(136.27,164.59) 135.51,164.59 C3.1 135.51,165.61 v3(136.27,165.61) ; R182.2 v3(53.21,25.15) 53.21,24.77 L6.1 ; R186.1 v3(37.85,24.64) ; R157.1 v3(136.53,52.32) ; R134.1 v3(13.97,89.79) ; R89.1 v3(135,110.74) ; R85.1 85.85,113.03 85.5,113.39 v3(85.5,113.87) ; CN16.4 v3(140.24,47.47) ; CN28.3 97.03,10.29 C96.2 v3(98.17,13.97) ; R146.2 v3(68.96,67.94) ; R188.2 v3(125.09,24.89) ; CN11.40 104.57,93.27 v3(103.63,92.33) ; v3(92.32,133.73) 92.08,133.73 91.95,133.86 C26.1 ; R161.1 v3(136.53,45.21) ; v3(147.83,161.29) 145.8,159.26 145.8,151.89 v3(147.07,150.62) ; R176.2 v3(46.86,28.57) ; v3(132.84,166.75) C1.1 133.9,168.69 U1.7 ; R97.1 v3(135,109.09) ; R191.1 v3(72.39,23.5) ; R77.2 v3(137.79,117.22) ; R78.2 151.89,116.46 v3(151.89,115.44) ; B2.4 v3(63.44,4.38) ; v3(122.45,128.96) 123.01,128.96 C29.1 ; B2.1 v3(54.74,4.38) ; R2.1 v3(141.99,168.78) ; R212.1 v3(73.53,16.51) ; R114.1 v3(135,103.12) ; CN5.48 v3(44.7,126.75) ; R165.1 v3(48.39,38.99) ; R211.1 v3(70.74,16.51) ; C57.1 59.16,55.88 ; C57.1 58.55,55.23 ; C57.1 57.94,55.88 ; R143.2 v3(143.38,73.41) ; v3(21.21,9.91) LD3.1 ; R79.2 v3(137.67,115.82) ; R92.2 v3(80.26,110.62) ; R170.1 v3(136.59,33.02) ; R135.2 v3(13.97,87.88) ; v3(137.41,107.77) C45.2 141.1,106.68 141.6,106.17 ; U3.2 v3(33.78,145.16) ; RV1.1 C90.1 ; R210.1 v3(67.94,16.51) ; v3(19.18,9.91) LD4.1 ; R141.2 v3(146.69,80.52) ; R131.2 v3(153.16,95.99) ; R190.1 v3(67.82,23.24) ; R13.2 v3(105.66,157.48) ; R136.2 v3(144.4,88.27) ; R75.2 v3(137.79,120.02) ; R116.2 89.28,102.23 v3(90.04,101.47) ; LD2.1 v3(23.24,9.91) ; R1.1 v3(134.37,166.62) ; R120.1 v3(135,101.47) ; C46.2 v3(138.43,104.9) ; R128.1 19.24,98.87 T1.2 v3(19.24,101.41) ; CN2.5 v3(37.72,161.29) ; R162.1 v3(136.53,43.69) ; v3(114.05,24.89) C83.1 ; C84.1 v3(115.44,24.89) ; R194.1 v3(122.43,21.46) ; CN20.50 v3(63.18,25.15) ; LD1.1 v3(25.27,9.91) ; 118.41,32.05 118.41,32.41 118.87,32.87 118.87,33.78 C67.1 119.51,34.54 119.63,34.67 v3(119.63,33.4) ; R20.2 v3(86.11,151.64) ; R118.2 v3(13.97,102.62) ; R155.2 v3(136.53,53.85) ; CN12.1 118.03,110.62 118.8,111.38 v3(119.51,111.38) ; R137.2 v3(145.8,88.27) ; v3(130.81,37.34) 130.81,37.44 130.78,37.47 U20.3 ; R213.1 v3(76.33,16.51) ; R133.2 v3(8.89,88.9) ; R214.1 v3(79.12,16.51) ; R158.1 v3(136.53,50.8)